# Altium PCB SP100 ATC CCU (PCB).PcbDoc (part 1 of 3)
Units mm, origin at the board's own origin, x right, y up, seen from the top; angles counter-clockwise.
Board outline 175.51 x 59.9 mm, 2 copper layers (Top Layer, Bottom Layer); 222 components, 146 nets, 708 pads, 190 vias.
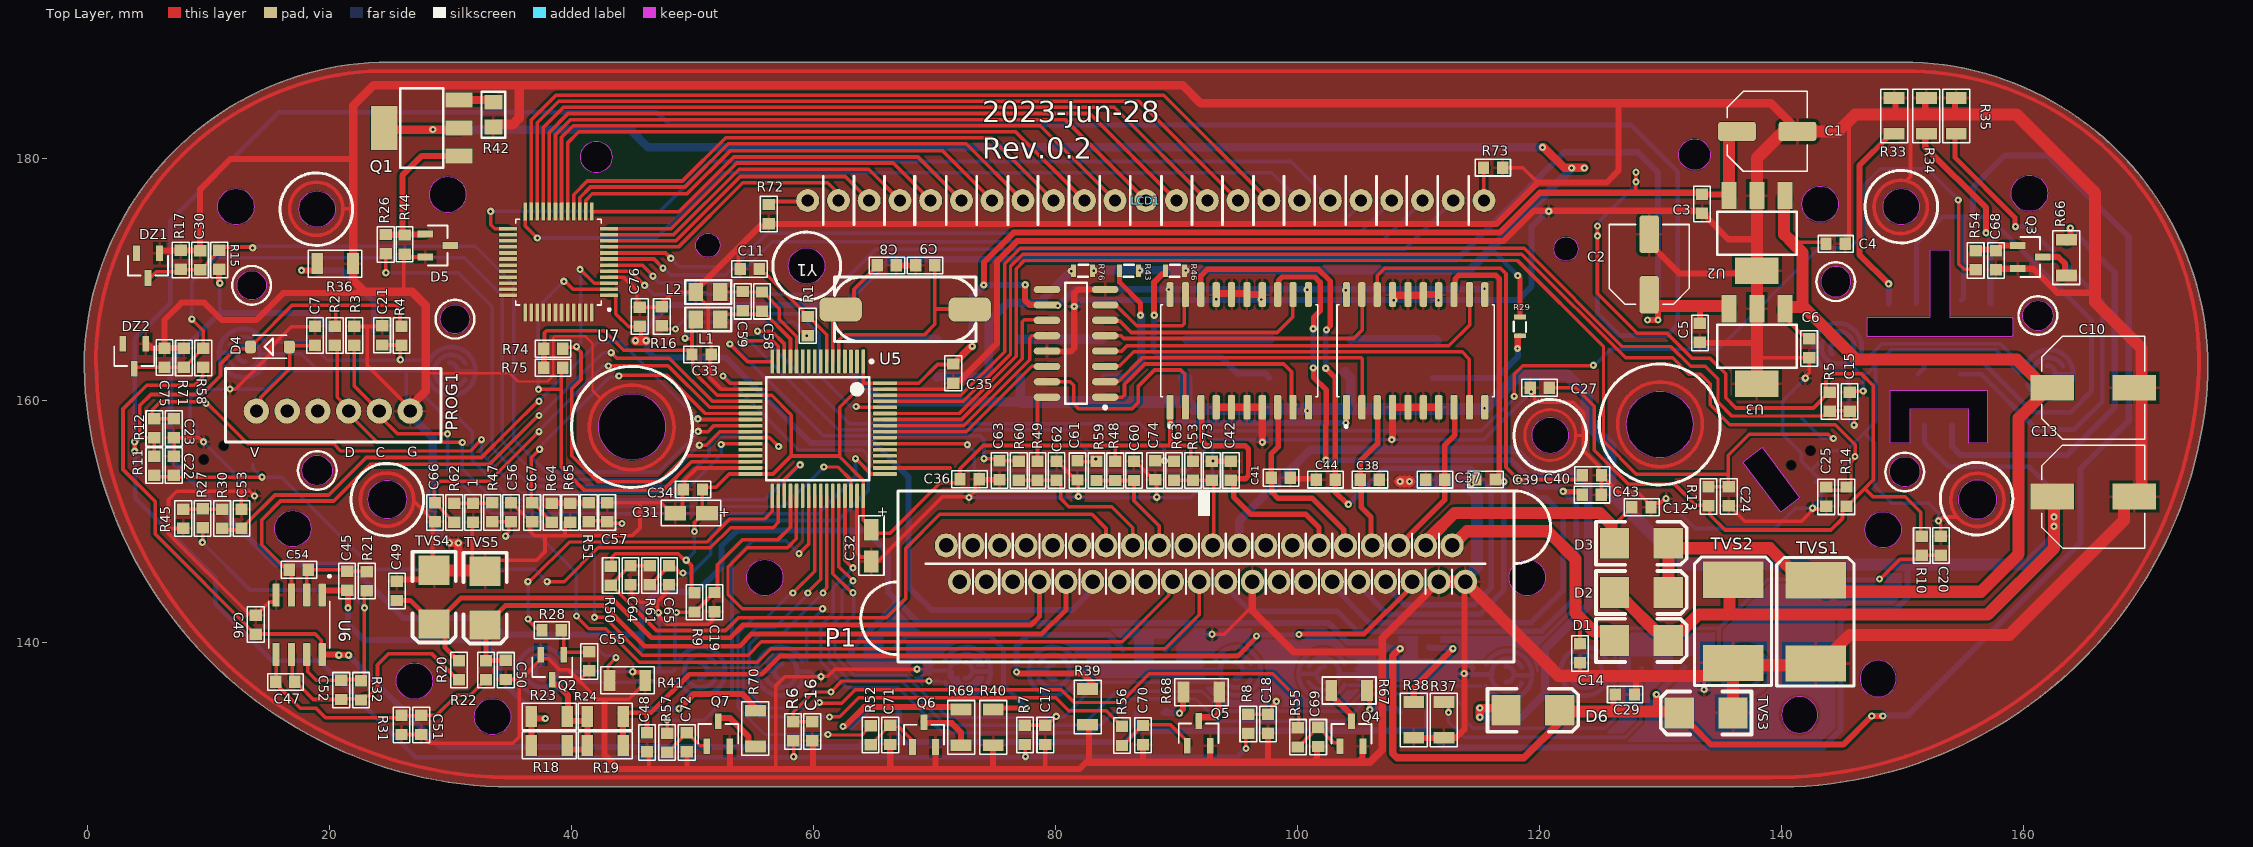
[diagram p0: Top Layer view]
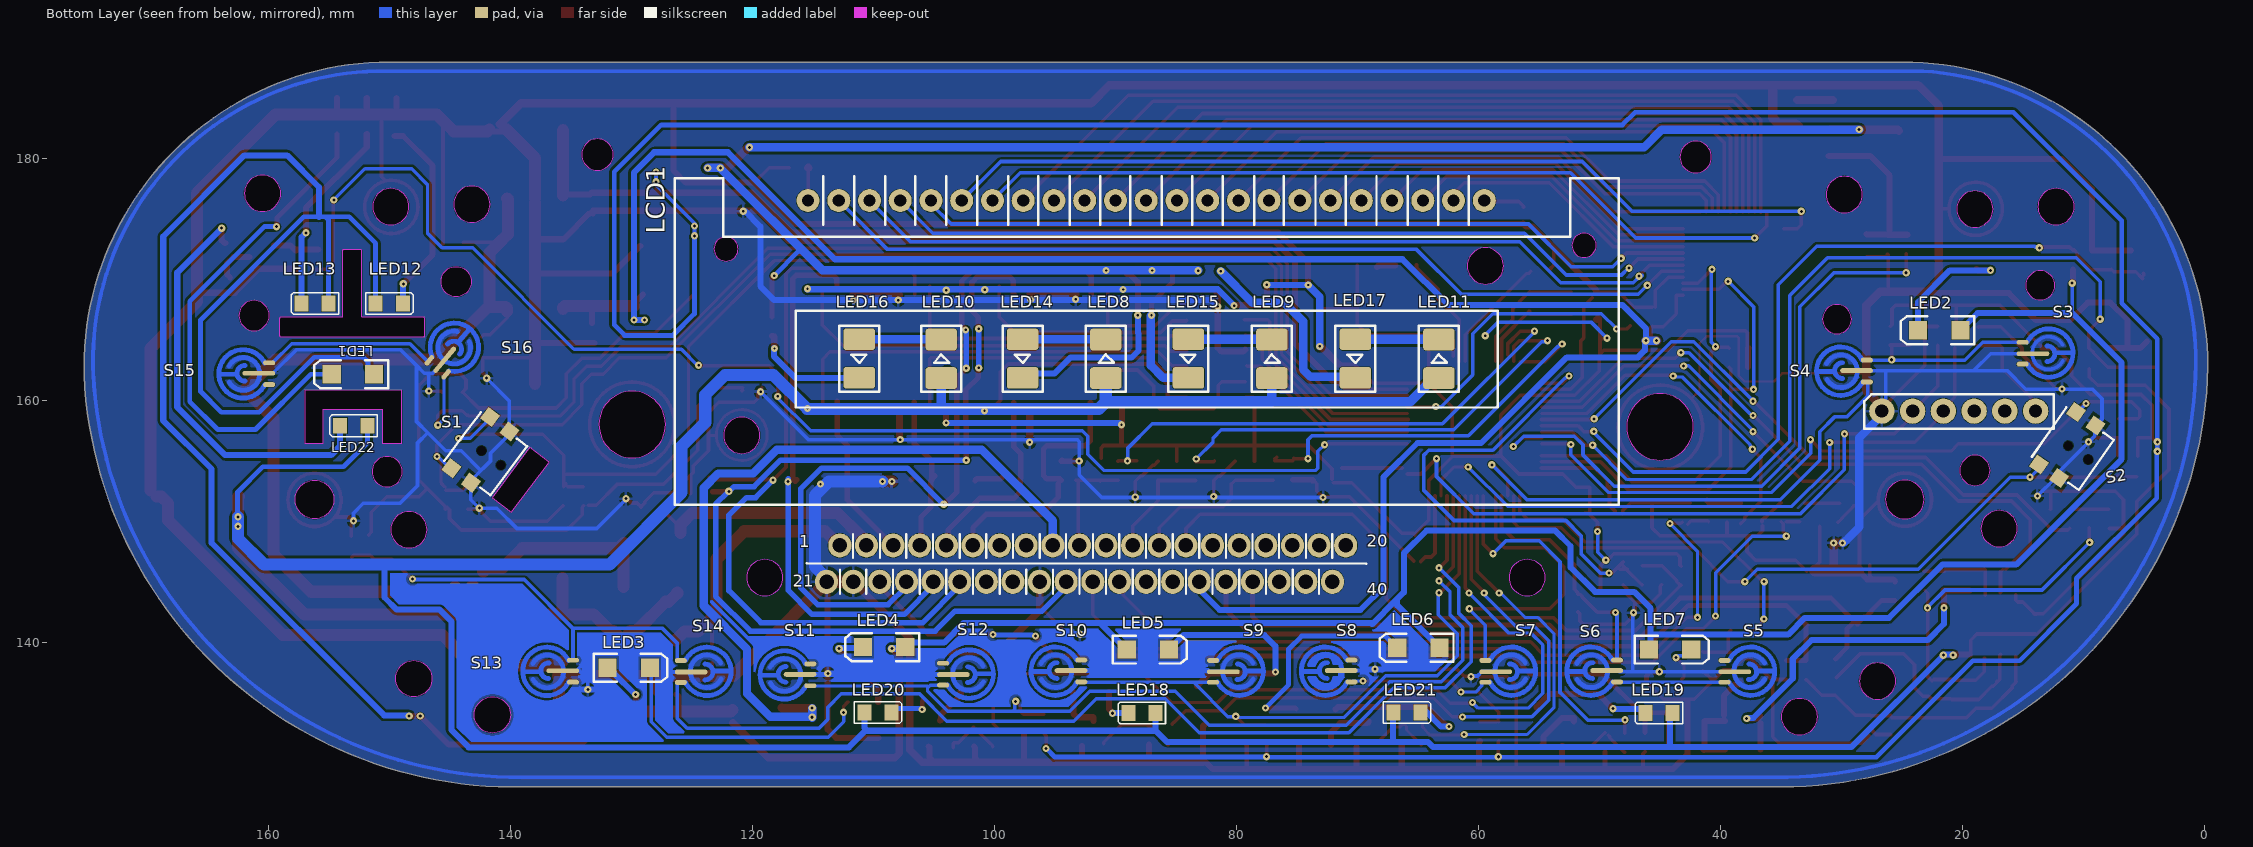
[diagram p1: Bottom Layer view, seen from below]

## Layer stack, top to bottom
Top Solder: solder mask 0.0102, Solder Resist, Dk 3.5
Top Layer: signal copper 0.0356
Dielectric 1: dielectric 0.32, FR-4, Dk 4.8
Bottom Layer: signal copper 0.0356
Bottom Solder: solder mask 0.0102, Solder Resist, Dk 3.5

## Board outline
33.965,128.05 ccw(c33.975,128.3) 33.991,128.05 ccw(c33.975,128.3) 33.991,128.05 ccw(c34.006,128.3) 34.007,128.05 140.887,128.05 ccw(c140.925,128.297) 140.935,128.047 ccw(c139.545,163.77) 141.002,128.05 141.005,128.05 ccw(c141.006,128.3) 141.03,128.051 ccw(c139.545,163.77) 175.255,162.082 ccw(c175.005,162.094) 175.256,162.094 ccw(c175.005,162.094) 175.251,162.143 ccw(c150.006,162.7) 175.257,162.7 ccw(c150.006,162.7) 150.006,187.95 ccw(c150.006,187.7) 150.005,187.95 25.006,187.95 cw(c25.006,187.7) 25.007,187.95 25.006,187.95 ccw(c25.006,162.7) -0.244,162.782 ccw(c0,162.725) -0.25,162.719 ccw(c35.344,163.629)
cut-out: 132.832,179 cw(c132.832,180.3) 131.532,180.3 cw(c132.832,180.3) 132.832,181.6 cw(c132.832,180.3) 134.132,180.3 cw(c132.832,180.3)
cut-out: 42.081,178.8 cw(c42.081,180.1) 40.781,180.1 cw(c42.081,180.1) 42.081,181.4 cw(c42.081,180.1) 43.381,180.1 cw(c42.081,180.1)
cut-out: 160.506,175.6 cw(c160.506,177.1) 159.006,177.1 cw(c160.506,177.1) 160.506,178.6 cw(c160.506,177.1) 162.006,177.1 cw(c160.506,177.1)
cut-out: 28.306,177 cw(c29.806,177) 29.806,178.5 cw(c29.806,177) 31.306,177 cw(c29.806,177) 29.806,175.5 cw(c29.806,177)
cut-out: 143.206,174.7 cw(c143.206,176.2) 141.706,176.2 cw(c143.206,176.2) 143.206,177.7 cw(c143.206,176.2) 144.706,176.2 cw(c143.206,176.2)
cut-out: 12.306,174.5 cw(c12.306,176) 10.806,176 cw(c12.306,176) 12.306,177.5 cw(c12.306,176) 13.806,176 cw(c12.306,176)
cut-out: 149.906,174.5 cw(c149.906,176) 148.406,176 cw(c149.906,176) 149.906,177.5 cw(c149.906,176) 151.406,176 cw(c149.906,176)
cut-out: 19.006,174.3 cw(c19.006,175.8) 17.506,175.8 cw(c19.006,175.8) 19.006,177.3 cw(c19.006,175.8) 20.506,175.8 cw(c19.006,175.8)
cut-out: 51.306,171.8 cw(c51.306,172.8) 50.306,172.8 cw(c51.306,172.8) 51.306,173.8 cw(c51.306,172.8) 52.306,172.8 cw(c51.306,172.8)
cut-out: 122.206,171.5 cw(c122.206,172.5) 121.206,172.5 cw(c122.206,172.5) 122.206,173.5 cw(c122.206,172.5) 123.206,172.5 cw(c122.206,172.5)
cut-out: 59.456,169.6 cw(c59.456,171.1) 57.956,171.1 cw(c59.456,171.1) 59.456,172.6 cw(c59.456,171.1) 60.956,171.1 cw(c59.456,171.1)
cut-out: 147.206,165.25 cw(c147.206,165.35) 147.106,165.35 147.106,166.75 cw(c147.206,166.75) 147.206,166.85 152.206,166.85 ccw(c152.206,166.95) 152.306,166.95 152.306,172.35 cw(c152.406,172.35) 152.406,172.45 153.806,172.45 cw(c153.806,172.35) 153.906,172.35 153.906,166.95 ccw(c154.006,166.95) 154.006,166.85 159.006,166.85 cw(c159.006,166.75) 159.106,166.75 159.106,165.35 cw(c159.006,165.35) 159.006,165.25
cut-out: 144.506,168.55 ccw(c144.506,169.8) 145.756,169.8 ccw(c144.506,169.8) 144.506,171.05 ccw(c144.506,169.8) 143.256,169.8 ccw(c144.506,169.8)
cut-out: 144.506,168.55 ccw(c144.506,169.8) 145.756,169.8 ccw(c144.506,169.8) 144.506,171.05 ccw(c144.506,169.8) 143.256,169.8 ccw(c144.506,169.8)
cut-out: 144.506,168.55 ccw(c144.506,169.8) 145.756,169.8 ccw(c144.506,169.8) 144.506,171.05 ccw(c144.506,169.8) 143.256,169.8 ccw(c144.506,169.8)
cut-out: 13.606,168.3 cw(c13.606,169.5) 12.406,169.5 cw(c13.606,169.5) 13.606,170.7 cw(c13.606,169.5) 14.806,169.5 cw(c13.606,169.5)
cut-out: 161.206,165.75 cw(c161.206,167) 159.956,167 cw(c161.206,167) 161.206,168.25 cw(c161.206,167) 162.456,167 cw(c161.206,167)
cut-out: 30.406,165.5 cw(c30.406,166.7) 29.206,166.7 cw(c30.406,166.7) 30.406,167.9 cw(c30.406,166.7) 31.606,166.7 cw(c30.406,166.7)
cut-out: 129.956,155.25 cw(c129.956,158) 127.206,158 cw(c129.956,158) 129.956,160.75 cw(c129.956,158) 132.706,158 cw(c129.956,158)
cut-out: 45.032,155.05 cw(c45.032,157.8) 42.282,157.8 cw(c45.032,157.8) 45.032,160.55 cw(c45.032,157.8) 47.782,157.8 cw(c45.032,157.8)
cut-out: 120.906,155.6 cw(c120.906,157.1) 119.406,157.1 cw(c120.906,157.1) 120.906,158.6 cw(c120.906,157.1) 122.406,157.1 cw(c120.906,157.1)
cut-out: 19.006,152.95 cw(c19.006,154.2) 17.756,154.2 cw(c19.006,154.2) 19.006,155.45 cw(c19.006,154.2) 20.256,154.2 cw(c19.006,154.2)
cut-out: 150.206,152.85 cw(c150.206,154.1) 148.956,154.1 cw(c150.206,154.1) 150.206,155.35 cw(c150.206,154.1) 151.456,154.1 cw(c150.206,154.1)
cut-out: 24.806,150.2 cw(c24.806,151.8) 23.206,151.8 cw(c24.806,151.8) 24.806,153.4 cw(c24.806,151.8) 26.406,151.8 cw(c24.806,151.8)
cut-out: 154.606,151.8 ccw(c156.206,151.8) 156.206,150.2 ccw(c156.206,151.8) 157.806,151.8 ccw(c156.206,151.8) 156.206,153.4 ccw(c156.206,151.8)
cut-out: 15.506,149.4 cw(c17.006,149.4) 17.006,150.9 cw(c17.006,149.4) 18.506,149.4 cw(c17.006,149.4) 17.006,147.9 cw(c17.006,149.4)
cut-out: 148.406,147.8 cw(c148.406,149.3) 146.906,149.3 cw(c148.406,149.3) 148.406,150.8 cw(c148.406,149.3) 149.906,149.3 cw(c148.406,149.3)
cut-out: 117.506,145.351 cw(c119.006,145.351) 119.006,146.851 cw(c119.006,145.351) 120.506,145.351 cw(c119.006,145.351) 119.006,143.851 cw(c119.006,145.351)
cut-out: 56.006,143.851 cw(c56.006,145.351) 54.506,145.351 cw(c56.006,145.351) 56.006,146.851 cw(c56.006,145.351) 57.506,145.351 cw(c56.006,145.351)
cut-out: 146.506,137 ccw(c148.006,137) 148.006,135.5 ccw(c148.006,137) 149.506,137 ccw(c148.006,137) 148.006,138.5 ccw(c148.006,137)
cut-out: 27.057,135.3 cw(c27.057,136.8) 25.557,136.8 cw(c27.057,136.8) 27.057,138.3 cw(c27.057,136.8) 28.557,136.8 cw(c27.057,136.8)
cut-out: 140.006,134 ccw(c141.506,134) 141.506,132.5 ccw(c141.506,134) 143.006,134 ccw(c141.506,134) 141.506,135.5 ccw(c141.506,134)
cut-out: 33.506,132.351 cw(c33.506,133.851) 32.006,133.851 cw(c33.506,133.851) 33.506,135.351 cw(c33.506,133.851) 35.006,133.851 cw(c33.506,133.851)
cut-out: 149.006,156.45 149.006,160.807 157.006,160.807 157.006,156.45 155.506,156.45 155.506,159.258 150.597,159.258 150.597,156.45
cut-out: 139.939,150.743 136.809,154.896 138.406,156.1 141.536,151.947

## Design rules (kind name [scope] priority, off if disabled: settings)
Clearance [All] p1: gap=0.03 ignorepadtopadclearanceinfootprint=FALSE except(0.2: Arc-Arc Arc-Track Arc-SMDPad Arc-THPad Arc-Via Arc-Fill Arc-Poly Arc-Region Arc-Text Arc-Hole Track-Track Track-SMDPad Track-THPad Track-Via Track-Fill Track-Poly Track-Region Track-Text Track-Hole)
PolygonConnect [All] p1: connectstyle=Relief reliefconductorwidth=0.254 reliefentries=4 polygonreliefangle="90 Angle" airgapwidth=0.254
RoutingVias [All] p1: holewidth=2 width=2 viastyle="Through Hole" minholewidth=0.1 minwidth=0.1 maxholewidth=0.711 maxwidth=1.27
SolderMaskExpansion [All] p1: expansion=0.102 istentingtop=FALSE
Width [All] p1: maxlimit=10 minlimit=0.1 preferedwidth=0.254
30 further rules are at their usual default settings.

## Components (designator, comment, footprint, x,y, rotation, side; value= is the part's Value field where it differs from the comment)
1 "Res1" PCBComponent_1#1 34.184,174.236 r0 top value=30K
C1 "" PCBComponent_1#2 139.37,181.559 r0 top value=100uF
C2 "" PCBComponent_1#2 129.743,171.755 r90 top value=100uF
C3 "" PCBComponent_1#1 131.166,152.705 r180 top value=100nF
C4 "" PCBComponent_1#1 168.001,170.637 r270 top value=100nF
C5 "" PCBComponent_1#1 130.988,142.057 r180 top value=100nF
C6 "" PCBComponent_1#1 140.014,140.767 r180 top value=100nF
C7 "" PCBComponent_1#1 21.125,188.854 r0 top value=100nF
C8 "" PCBComponent_1#1 89.608,168.858 r270 top value=18pF
C9 "" PCBComponent_1#1 45.742,173.43 r90 top value=18pF
C10 "" PCBComponent_1#3 165.889,161.798 r0 top value=220uF
C11 "Cap" PCBComponent_1#1 31.237,173.126 r90 top value=100nF
C12 "" PCBComponent_1#1 151.968,148.869 r270 top value=100nF
C13 "" PCBComponent_1#3 165.889,152.806 r0 top value=220uF
C14 "" PCBComponent_1#1 121.082,115.57 r180 top value=100nF
C15 "" PCBComponent_1#1 147.93,183.393 r0 top value=10nF
C16 "" PCBComponent_1#1 57.633,109.118 r180 top value=10nF
C17 "" PCBComponent_1#1 76.901,108.827 r180 top value=10nF
C18 "" PCBComponent_1#1 95.301,109.748 r180 top value=100nF
C19 "" PCBComponent_1#1 49.555,119.807 r180 top value=10nF
C20 "" PCBComponent_1#1 155.473,171.501 r0 top value=10nF
C21 "" PCBComponent_1#1 26.67,188.88 r0 top value=10nF
C22 "" PCBComponent_1#1 9.449,178.105 r0 top value=10nF
C23 "" PCBComponent_1#1 4.877,134.158 r180 top value=10nF
C24 "" PCBComponent_1#1 133.375,128.549 r180 top value=10nF
C25 "" PCBComponent_1#1 141.427,128.519 r180 top value=10nF
C27 "" PCBComponent_1#1 96.52,163.322 r90 top value=100nF
C29 "" PCBComponent_1#1 150.602,133.401 r270 top value=100nF
C30 "" PCBComponent_1#1 11.633,195.094 r0 top value=100nF
C31 "" PCBComponent_1#4 50.343,150.165 r180 top value=10uF
C32 "" PCBComponent_1#4 65.313,148.407 r270 top value=4.7uF
C33 "" PCBComponent_1#1 27.254,166.065 r90 top value=100nF
C34 "" PCBComponent_1#1 73.589,150.343 r270 top value=100nF
C35 "" PCBComponent_1#1 73.861,185.733 r0 top value=100nF
C36 "" PCBComponent_1#1 49.403,155.753 r90 top value=100nF
C37 "" PCBComponent_1#1 87.884,155.727 r90 top value=100nF
C38 "" PCBComponent_1#1 129.52,151.155 r270 top value=100nF
C39 "" PCBComponent_1#1 92.042,155.736 r90 top value=100nF
C40 "" PCBComponent_1#1 147.879,151.511 r270 top value=100nF
C41 "" PCBComponent_1#1 122.154,151.308 r270 top value=100nF
C42 "" PCBComponent_1#1 96.799,177.704 r0 top value=100nF
C43 "" PCBComponent_1#1 147.863,149.914 r270 top value=100nF
C44 "" PCBComponent_1#1 78.842,155.727 r90 top value=100nF
C45 "" PCBComponent_1#1 19.202,121.559 r180 top value=100nF
C46 "" PCBComponent_1#1 16.231,164.978 r0 top value=100nF
C47 "" PCBComponent_1#1 39.903,134.442 r270 top value=470nF
C48 "" PCBComponent_1#1 43.983,108.218 r180 top value=100nF
C49 "" PCBComponent_1#1 23.317,120.726 r180 top
C50 "" PCBComponent_1#1 32.309,114.193 r180 top value=100nF
C51 "" PCBComponent_1#1 25.324,109.652 r180 top value=100nF
C52 "" PCBComponent_1#1 18.72,112.542 r180 top value=100nF
C53 "" PCBComponent_1#1 15.051,173.736 r0 top value=100nF
C54 "" PCBComponent_1#1 41.021,143.713 r270 top value=470nF
C55 "" PCBComponent_1#1 39.218,114.904 r180 top value=100nF
C56 "" PCBComponent_1#1 32.741,127.229 r180 top
C57 "" PCBComponent_1#1 40.691,127.229 r180 top
C58 "" PCBComponent_1#1 58.064,191.68 r0 top value=100nF
C59 "" PCBComponent_1#1 51.892,144.673 r180 top value=10uF
C60 "" PCBComponent_1#1 88.794,177.686 r0 top value=100nF
C61 "" PCBComponent_1#1 79.553,130.679 r180 top value=100nF
C62 "" PCBComponent_1#1 82.4,177.694 r0 top value=100nF
C63 "" PCBComponent_1#1 73.112,130.687 r180 top value=100nF
C64 "" PCBComponent_1#1 42.621,122.016 r180 top value=100nF
C65 "" PCBComponent_1#1 45.796,122.016 r180 top value=100nF
C66 "" PCBComponent_1#1 26.462,127.229 r180 top value=100nF
C67 "" PCBComponent_1#1 34.493,127.229 r180 top value=100nF
C68 "" PCBComponent_1#1 155.448,148.051 r180 top value=100nF
C69 "" PCBComponent_1#1 99.441,108.656 r180 top value=100nF
C70 "" PCBComponent_1#1 84.963,108.814 r180 top value=100nF
C71 "" PCBComponent_1#1 64.084,108.827 r180 top value=100nF
C72 "" PCBComponent_1#1 47.269,108.218 r180 top value=100nF
C73 "" PCBComponent_1#1 95.226,177.704 r0 top value=100nF
C74 "" PCBComponent_1#1 85.979,130.697 r180 top value=100nF
C75 "" PCBComponent_1#1 8.687,187.037 r0 top value=100nF
C76 "" PCBComponent_1#1 47.955,190.424 r0 top value=100nF
D1 "" PCBComponent_1#5 128.397,139.852 r90 top
D2 "S2M" PCBComponent_1#5 128.397,143.815 r90 top
D3 "" PCBComponent_1#5 128.397,147.879 r90 top
D4 "" SODFL3517X110N 15.108,164.414 r0 top
D5 "MMBD1503A" PCBComponent_1#6 25.028,172.977 r270 top
D6 "" PCBComponent_1#5 119.431,134.087 r90 top
DZ1 "BZX84C5V" PCBComponent_1#6 5.235,175.078 r180 top
DZ2 "BZX84C5V" PCBComponent_1#6 4.089,167.583 r180 top
L1 "10uH" PCBComponent_1#7 51.486,173.914 r270 top
L2 "l0uH" PCBComponent_1#7 51.486,176.174 r270 top
LCD1 "" PCBComponent_1#8 63.976,171.652 r0 top locked
LED1 "" PCBComponent_1#9 153.667,165.583 r0 bottom
LED2 "" PCBComponent_1#9 22.583,169.215 r0 bottom
LED3 "" PCBComponent_1#9 129.617,134.471 r180 bottom
LED4 "" PCBComponent_1#9 109.776,143.027 r0 bottom
LED5 "" PCBComponent_1#9 86.715,135.971 r180 bottom
LED6 "" PCBComponent_1#9 65.631,142.977 r0 bottom
LED7 "" PCBComponent_1#9 43.565,135.971 r180 bottom
LED8 "" PCBComponent_1#10 96.9,165.19 r180 bottom
LED9 "" PCBComponent_1#10 83.18,165.19 r180 bottom
LED10 "" PCBComponent_1#10 110.5,165.19 r180 bottom
LED11 "" PCBComponent_1#10 69.38,165.19 r180 bottom
LED12 "" PCBComponent_1#11 150.4,168 r270 bottom
LED13 "" PCBComponent_1#11 155.8,168 r90 bottom
LED14 "" PCBComponent_1#10 91.62,161.685 r0 bottom
LED15 "" PCBComponent_1#10 77.92,161.685 r0 bottom
LED16 "" PCBComponent_1#10 105.12,161.685 r0 bottom
LED17 "" PCBComponent_1#10 64.12,161.685 r0 bottom
LED18 "" PCBComponent_1#11 87.478,134.163 r90 bottom
LED19 "" PCBComponent_1#11 44.755,134.163 r90 bottom
LED20 "" PCBComponent_1#11 110.012,134.2 r270 bottom
LED21 "" PCBComponent_1#11 66.3,134.2 r270 bottom
LED22 "" PCBComponent_1#11 152.6,157.9 r90 bottom
P1 "" PCBComponent_1#12 91.512,147.027 r0 top locked
PROG1 "" PCBComponent_1#13 19.736,158.979 r0 top
Q1 "BCP5616Q" *SOT223 28.659,182.754 r90 top
Q2 "BC846" PCBComponent_1#6 38.628,141.884 r180 top
Q3 "BC846" PCBComponent_1#6 156.616,172.019 r270 top
Q4 "BC846" PCBComponent_1#6 104.292,128.499 r0 top
Q5 "BC846" PCBComponent_1#6 91.669,128.524 r0 top
Q6 "BC846" PCBComponent_1#6 68.97,128.425 r0 top
Q7 "BC846" PCBComponent_1#6 51.968,128.499 r0 top
R1 "Res1" PCBComponent_1#1 61.836,189.658 r0 top value=10K
R2 "" PCBComponent_1#1 22.749,188.854 r0 top value=10K
R3 "" PCBComponent_1#1 24.375,188.854 r0 top value=10K
R4 "Res1" PCBComponent_1#1 28.27,188.854 r0 top value=10K
R5 "Res1" PCBComponent_1#1 146.279,183.393 r0 top value=10K
R6 "Res1" PCBComponent_1#1 56.058,109.118 r180 top value=10K
R7 "Res1" PCBComponent_1#1 75.209,108.827 r180 top value=10K
R8 "Res1" PCBComponent_1#1 93.675,109.748 r180 top value=10K
R9 "Res1" PCBComponent_1#1 52.476,166.814 r0 top value=10K
R10 "Res1" PCBComponent_1#1 153.899,171.501 r0 top value=10K
R11 "Res1" PCBComponent_1#1 7.849,178.105 r0 top value=10K
R12 "Res1" PCBComponent_1#1 3.277,134.158 r180 top value=10K
R13 "Res1" PCBComponent_1#1 131.699,128.549 r180 top value=10K
R14 "Res1" PCBComponent_1#1 143.104,128.519 r180 top value=10K
R15 "Res1" PCBComponent_1#1 8.636,148.087 r180 top value=30K
R16 "Res1" PCBComponent_1#1 45.212,143.417 r180 top value=10K
R17 "Res1" PCBComponent_1#1 5.461,148.087 r180 top value=10K
R18 "Res1" PCBComponent_1#14 38.627,131.505 r270 top value=511
R19 "Res1" PCBComponent_1#14 43.25,131.505 r270 top value=511
R20 "Res1" PCBComponent_1#1 33.02,161.219 r0 top value=200K
R21 "Res1" PCBComponent_1#1 25.4,168.566 r0 top value=10K
R22 "Res1" PCBComponent_1#1 35.255,161.219 r0 top value=200K
R23 "Res1" PCBComponent_1#14 38.627,133.893 r270 top value=511
R24 "Res1" PCBComponent_1#14 43.25,133.893 r270 top value=511
R26 "Res1" PCBComponent_1#1 22.395,149.379 r180 top value=1K
R27 "Res1" PCBComponent_1#1 7.264,126.721 r180 top value=0
R28 "Res1" PCBComponent_1#1 61.905,138.709 r270 top value=10K
R29 "Comment" MY_RES_SMD_0603 118.4,166.1 r90 top
R30 "Res1" PCBComponent_1#1 13.451,173.736 r0 top value=10K
R31 "Res1" PCBComponent_1#1 23.698,109.652 r180 top value=10K
R32 "Res1" PCBComponent_1#1 24.917,159.549 r0 top value=10K
R33 "Res1" PCBComponent_1#14 149.301,183.928 r0 top value=5.1K
R34 "Res1" PCBComponent_1#14 151.968,183.928 r0 top value=5.1K
R35 "Res1" PCBComponent_1#14 154.432,183.928 r0 top value=5.1K
R36 "Res1" PCBComponent_1#14 20.93,171.323 r270 top value=5.1K
R37 "Res1" PCBComponent_1#14 112.141,133.154 r180 top value=5.1K
R38 "Res1" PCBComponent_1#14 109.652,133.154 r180 top value=5.1K
R39 "Res1" PCBComponent_1#14 82.702,134.232 r180 top value=5.1K
R40 "Res1" PCBComponent_1#14 74.905,132.544 r180 top value=5.1K
R41 "Res1" PCBComponent_1#14 45.085,136.881 r270 top value=5.1K
R42 "Res1" PCBComponent_1#7 40.818,183.418 r180 top value=10
R43 "Comment" MY_RES_SMD_0603 86.1,170.7 r0 top
R44 "Res1" PCBComponent_1#1 28.527,196.393 r0 top value=10K
R45 "Res1" PCBComponent_1#1 10.236,173.741 r0 top value=10K
R46 "Comment" MY_RES_SMD_0603 89.9,170.7 r0 top
R47 "Res1" PCBComponent_1#1 31.191,127.229 r180 top value=20K
R48 "Res1" PCBComponent_1#1 87.245,177.686 r0 top value=4.7k
R49 "Res1" PCBComponent_1#1 80.825,177.694 r0 top value=4.7k
R50 "Res1" PCBComponent_1#1 45.568,169.023 r0 top value=1k
R51 "Res1" PCBComponent_1#1 39.167,127.229 r180 top value=20K
R52 "Res1" PCBComponent_1#1 67.031,155.834 r0 top value=10K
R53 "Res1" PCBComponent_1#1 93.675,177.704 r0 top value=10k
R54 "Res1" PCBComponent_1#1 153.772,148.051 r180 top value=10K
R55 "Res1" PCBComponent_1#1 102.339,155.663 r0 top value=10K
R56 "Res1" PCBComponent_1#1 87.809,155.79 r0 top value=10K
R57 "Res1" PCBComponent_1#1 50.216,155.225 r0 top value=10K
R58 "Res1" PCBComponent_1#1 7.315,139.979 r180 top value=30K
R59 "Res1" PCBComponent_1#1 85.695,177.686 r0 top value=10K
R60 "Res1" PCBComponent_1#1 79.276,177.694 r0 top value=10K
R61 "Res1" PCBComponent_1#1 44.221,122.016 r180 top value=10K
R62 "Res1" PCBComponent_1#1 32.634,174.236 r0 top value=10K
R63 "Res1" PCBComponent_1#1 92.1,177.704 r0 top value=10K
R64 "Res1" PCBComponent_1#1 40.691,174.236 r0 top value=10K
R65 "Res1" PCBComponent_1#1 42.215,174.236 r0 top value=30K
R66 "Res1" PCBComponent_1#14 163.576,171.348 r180 top value=1K
R67 "Res1" PCBComponent_1#14 103.861,135.992 r90 top value=1K
R68 "Res1" PCBComponent_1#14 92.507,135.915 r270 top value=1K
R69 "Res1" PCBComponent_1#14 72.257,132.544 r180 top value=1K
R70 "Res1" PCBComponent_1#14 55.245,132.442 r180 top value=1K
R71 "Res1" PCBComponent_1#1 5.715,139.991 r180 top value=10K
R72 "Res1" PCBComponent_1#1 58.623,198.907 r0 top value=100K
R73 "Res1" PCBComponent_1#1 92.659,181.508 r90 top value=100K
R74 "Res1" PCBComponent_1#1 15.006,166.549 r90 top value=4.7K
R75 "Res1" PCBComponent_1#1 15.006,164.974 r90 top value=4.7K
R76 "Comment" MY_RES_SMD_0603 82.3,170.7 r180 top
S1 "volume" PCBComponent_1#15 141.876,155.69 r307 bottom locked
S2 "volume" PCBComponent_1#15 10.74,156.115 r305 bottom
S3 "" PCBComponent_1#16 12.7,164 r90 top
S4 "" PCBComponent_1#16 30.3,162.3 r270 top
S5 "" PCBComponent_1#16 37.339,137.716 r90 top locked
S6 "" PCBComponent_1#16 50.942,137.513 r270 top
S7 "" PCBComponent_1#16 57.1,137.716 r90 top
S8 "" PCBComponent_1#16 72.883,137.513 r270 top
S9 "" PCBComponent_1#17 79.6,137.716 r90 top
S10 "" PCBComponent_1#17 95.211,137.513 r270 top
S11 "" PCBComponent_1#16 117.6,137.2 r270 top
S12 "" PCBComponent_1#16 101.907,137.479 r90 top
S13 "" PCBComponent_1#16 137.211,137.497 r270 top
S14 "" PCBComponent_1#16 123.579,137.7 r90 top locked
S15 "" PCBComponent_1#16 162.318,162.077 r270 top
S16 "" PCBComponent_1#18 144.6,164.6 r40 top
TVS1 "" PCBComponent_1#19 143.383,141.859 r0 top
TVS2 "" PCBComponent_1#19 136.576,141.91 r0 top
TVS3 "" PCBComponent_1#5 133.833,134.468 r270 top
TVS4 "" PCBComponent_1#5 28.372,143.764 r0 top
TVS5 "" PCBComponent_1#5 32.588,143.688 r0 top
U2 "NCV4264-3.3" *SOT223 137.729,174.829 r180 top
U3 "NCV4264-5V" *SOT223 137.729,165.481 r180 top
U5 "STM32F072RBT6" PCBComponent_1#20 60.3,157.709 r270 top
U6 "LM2904M" SOIC127P600X175-8N 17.526,141.453 r270 top
U7 "" QFP50P900X900X160-48N 38.958,171.42 r180 top
Y1 "XTAL" PCBComponent_1#21 67.775,168.05 r0 top
? "Comment" SO16 81.725,164.7 r180 top locked
? "Comment" SOIC127P1032X265-20N 109.785,164.08 r90 top locked
? "Comment" SOIC127P1032X265-20N 95.21,164.08 r90 top locked

## Footprints (in the part's own frame and the unit in brackets; to place one, negate y for a bottom-side part, rotate by r counter-clockwise, add the part's x,y. Pads: shape width x height; smd on the part's side, far side on the other; paste and mask are expansions set on the pad)
*SOT223 [mil]
  rect 48x88 smd: 1(-101,-82) 2(-10,-82) 3(81,-82)
  rect 141.73x86.61 smd: 4(-10,162.01)
  silkscreen extent -139,-30 119,110, body extent -138,-98 118,178, height 67
MY_RES_SMD_0603 [mm]
  rect 0.4x1 smd: 1(-0.775,0) 2(0.775,0)
  silkscreen extent -0.45,-0.5 0.4,0.5, body extent -0.78,-0.43 0.78,0.43, height 0.45
PCBComponent_1#1 [mm]
  rect 1.02x0.94 smd: 1(-2.286,-22.733) 2(-2.286,-24.313)
  silkscreen extent -2.98,-24.96 -1.6,-22.04, body extent -2.67,-24.28 -1.9,-22.76, height 0.45
PCBComponent_1#2 [mm]
  rrect25% 3.11x1.58 smd: 1(-3.032,0.66) 2(1.968,0.66)
  silkscreen extent -3.83,-2.64 2.77,3.96, body extent -4.43,-2.64 3.37,3.96, height 7.55
PCBComponent_1#3 [mm]
  rect 3.6x2.12 smd: 1(-3.492,-0.762) 2(3.288,-0.762)
  silkscreen extent -4.35,-5.02 4.15,3.49, body extent -5,-4.91 5,3.39, height 10.01
PCBComponent_1#4 [mm]
  rect 1.79x1.21 smd: 1(-0.889,-0.508) 2(1.731,-0.508)
  silkscreen extent -2.03,-1.56 2.88,0.54
PCBComponent_1#5 [mm]
  rect 2.54x2.413 smd: 1(0.305,2.184) 2(0.305,-2.261)
  silkscreen extent -1.47,-3.78 2.08,3.71, body extent -1.56,-2.77 2.06,2.52, height 2.31
PCBComponent_1#6 [mm]
  rect 0.559x1.295 smd: 1(-0.762,2.921) 2(1.138,2.921) 3(0.188,4.978)
  silkscreen extent -1.46,3.14 1.84,4.76, body extent -1.25,2.84 1.61,5.13, height 1.09
PCBComponent_1#7 [mm]
  rect 1.5x1.2 smd: 1(7.239,-1.189) 2(7.239,0.838)
  silkscreen extent 6.25,-2.06 8.22,1.74, body extent 6.59,-1.08 7.84,0.92, height 0.61
PCBComponent_1#8 [mm]
  round 1.9 hole 1: 1(51.454,4.848) 2(48.914,4.848) 3(46.374,4.848) 4(43.834,4.848) 5(41.294,4.848) 6(38.754,4.848) 7(36.214,4.848) 8(33.674,4.848) 9(31.134,4.848) 10(28.594,4.848) 11(26.054,4.848) 12(23.514,4.848) 13(20.974,4.848) 14(18.434,4.848) 15(15.894,4.848) 16(13.354,4.848) 17(10.814,4.848) 18(8.274,4.848) 19(5.734,4.848) 20(3.194,4.848) 21(0.654,4.848) 22(-1.886,4.848) 23(-4.426,4.848)
  silkscreen extent -3.16,2.84 50.18,6.84
PCBComponent_1#9 [mm]
  rect 1.5x1.5 smd: 1(-2.385,3.429) 2(1.115,3.429)
  silkscreen extent -3.53,2.28 2.57,4.58, body extent -2.28,2.67 1.02,4.12, height 1.36
PCBComponent_1#10 [mm]
  rrect25% 2.6x1.79 smd: 1(6.08,-3.355) 2(6.08,-0.171)
  silkscreen extent 4.43,-4.47 7.73,0.97, body extent 4.65,-3.55 7.45,-0.05, height 1.75
PCBComponent_1#11 [mm]
  rect 1.3x1.15 smd: 1(0,-0.762) 2(0,1.488)
  silkscreen extent -0.9,-1.59 0.9,2.34
PCBComponent_1#12 [mm]
  oval 1.9x2 hole 1.2: 1(21.288,0.973) 2(19.088,0.973) 3(16.888,0.973) 4(14.688,0.973) 5(12.488,0.973) 6(10.288,0.973) 7(8.088,0.973) 8(5.888,0.973) 9(3.688,0.973) 10(1.488,0.973) 11(-0.712,0.973) 12(-2.912,0.973) 13(-5.112,0.973) 14(-7.312,0.973) 15(-9.512,0.973) 16(-11.712,0.973) 17(-13.912,0.973) 18(-16.112,0.973) 19(-18.312,0.973) 20(-20.512,0.973) 21(22.388,-2.027) 22(20.188,-2.027) 23(17.988,-2.027) 24(15.788,-2.027) 25(13.588,-2.027) 26(11.388,-2.027) 27(9.188,-2.027) 28(6.988,-2.027) 29(4.788,-2.027) 30(2.588,-2.027) 31(0.388,-2.027) 32(-1.812,-2.027) 33(-4.012,-2.027) 34(-6.212,-2.027) 35(-8.412,-2.027) 36(-10.612,-2.027) 37(-12.812,-2.027) 38(-15.012,-2.027) 39(-17.212,-2.027) 40(-19.412,-2.027)
  silkscreen extent -27.58,-8.65 29.42,5.47
PCBComponent_1#13 [mm]
  round 2.1 hole 1.1: 1(6.96,0.127) 2(4.42,0.127) 3(1.88,0.127) 4(-0.66,0.127) 5(-3.2,0.127) 6(-5.74,0.127)
  silkscreen extent -8.28,-2.41 9.5,3.63
PCBComponent_1#14 [mm]
  rect 1.73x0.97 smd: 1(0.025,-1.912) 2(0.025,1.048)
  silkscreen extent -1.09,-2.65 1.14,1.78, body extent -0.77,-1.93 0.83,1.17, height 0.63
PCBComponent_1#15 [mm]
  rect 1.2x1.2 smd: 1(-2.445,-1.62) 2(-2.445,0.38) 3(2.855,-1.62) 4(2.855,0.38)
  round 0 hole 0.8: 29(0.205,1.48) 30(0.205,-0.52)
  silkscreen extent -2.35,-2.47 2.71,2.28
PCBComponent_1#16 [mm]
  oval 0.4x2.7 smd far side: 1(-0.152,-1.511)
  oval 0.4x1 smd far side: 2(-1.016,-2.361) 2(0.787,-2.361)
  Bottom Layer lines w0.254: -0.127,1.803 -0.12,1.797 -0.076,1.753
  Bottom Layer lines w0.3: -0.736,0.963 ccw(c-0.102,-0.229) -0.152,-1.578 ccw(c-0.102,-0.229) 0.573,0.941
  Bottom Layer lines w0.4: -0.076,1.753 -0.076,0.432 ; 0.498,-0.356 ccw(c-0.152,-0.356) -0.802,-0.372 ; -1.005,-1.988 cw(c-0.102,-0.203) -0.12,1.797 cw(c-0.102,-0.203) 0.787,-1.995
PCBComponent_1#17 [mm]
  oval 0.4x2.7 smd far side: 1(-0.152,-1.511)
  oval 0.4x1 smd far side: 2(-1.016,-2.361) 2(0.787,-2.361)
  Bottom Layer lines w0.254: -0.127,1.803 -0.12,1.797 -0.076,1.753
  Bottom Layer lines w0.4: -0.076,1.753 -0.076,0.432 ; -0.736,0.963 ccw(c-0.102,-0.229) -0.152,-1.578 ccw(c-0.102,-0.229) 0.573,0.941 ; 0.498,-0.356 ccw(c-0.152,-0.356) -0.802,-0.372 ; -1.005,-1.988 cw(c-0.102,-0.203) -1.081,-1.947 cw(c-0.102,-0.203) -0.12,1.797 cw(c-0.102,-0.203) 0.787,-1.995
PCBComponent_1#18 [mm]
  oval 0.4x2.7 smd far side: 1(-0.152,-1.511)
  oval 0.4x1 smd far side: 2(-1.016,-2.361) 2(0.787,-2.361)
  Bottom Layer lines w0.254: -0.127,1.803 -0.12,1.797 ; -0.076,1.753 -0.12,1.797 ; -0.12,1.797 -0.12,1.797 ; -0.12,1.797 -0.12,1.797 ; -0.12,1.797 -0.12,1.797 ; -0.12,1.797 -0.12,1.797 ; -0.12,1.797 -0.12,1.797 ; -0.12,1.797 -0.12,1.797
  Bottom Layer lines w0.4: -0.076,1.753 -0.076,0.432 ; -0.736,0.963 ccw(c-0.102,-0.229) -0.206,-1.575 ccw(c-0.102,-0.229) 0.573,0.941 ; -0.802,-0.372 cw(c-0.152,-0.356) 0.498,-0.356 ; -1.005,-1.988 cw(c-0.102,-0.203) -0.12,1.797 cw(c-0.102,-0.203) 0.787,-1.995
PCBComponent_1#19 [mm]
  rect 5x3 smd: 1(-0.532,-3.613) 2(-0.532,3.27)
  silkscreen extent -3.76,-5.48 2.62,5.15, body extent -3.5,-4.13 2.4,3.82, height 2.42
PCBComponent_1#20 [mm]
  rrect50% 2x0.3 smd: 1(-5.499,3.826) 2(-5.499,3.326) 3(-5.499,2.826) 4(-5.499,2.326) 5(-5.499,1.826) 6(-5.499,1.326) 7(-5.499,0.826) 8(-5.499,0.326) 9(-5.499,-0.174) 10(-5.499,-0.674) 11(-5.499,-1.174) 12(-5.499,-1.674) 13(-5.499,-2.174) 14(-5.499,-2.674) 15(-5.499,-3.174) 16(-5.499,-3.674) 33(5.601,-3.674) 34(5.601,-3.174) 35(5.601,-2.674) 36(5.601,-2.174) 37(5.601,-1.674) 38(5.601,-1.174) 39(5.601,-0.674) 40(5.601,-0.174) 41(5.601,0.326) 42(5.601,0.826) 43(5.601,1.326) 44(5.601,1.826) 45(5.601,2.326) 46(5.601,2.826) 47(5.601,3.326) 48(5.601,3.826)
  rrect50% 0.3x2 smd: 17(-3.699,-5.474) 18(-3.199,-5.474) 19(-2.699,-5.474) 20(-2.199,-5.474) 21(-1.699,-5.474) 22(-1.199,-5.474) 23(-0.699,-5.474) 24(-0.199,-5.474) 25(0.301,-5.474) 26(0.801,-5.474) 27(1.301,-5.474) 28(1.801,-5.474) 29(2.301,-5.474) 30(2.801,-5.474) 31(3.301,-5.474) 32(3.801,-5.474) 49(3.801,5.626) 50(3.301,5.626) 51(2.801,5.626) 52(2.301,5.626) 53(1.801,5.626) 54(1.301,5.626) 55(0.801,5.626) 56(0.301,5.626) 57(-0.199,5.626) 58(-0.699,5.626) 59(-1.199,5.626) 60(-1.699,5.626) 61(-2.199,5.626) 62(-2.699,5.626) 63(-3.199,5.626) 64(-3.699,5.626)
  silkscreen extent -5.62,-4.17 4.3,4.65, body extent -5.95,-5.95 6.05,6.05, height 1.6
PCBComponent_1#21 [mm]
  rrect50% 3.5x2 smd: 1(-5.505,-0.545) 2(5.163,-0.545)
  silkscreen extent -6.01,-3.21 5.67,2.15, body extent -6.48,-2.92 6.22,1.91, height 3.95
QFP50P900X900X160-48N [mm]
  rrect25% 1.49x0.3 smd: 1(-4.17,2.75) 2(-4.17,2.25) 3(-4.17,1.75) 4(-4.17,1.25) 5(-4.17,0.75) 6(-4.17,0.25) 7(-4.17,-0.25) 8(-4.17,-0.75) 9(-4.17,-1.25) 10(-4.17,-1.75) 11(-4.17,-2.25) 12(-4.17,-2.75) 25(4.17,-2.75) 26(4.17,-2.25) 27(4.17,-1.75) 28(4.17,-1.25) 29(4.17,-0.75) 30(4.17,-0.25) 31(4.17,0.25) 32(4.17,0.75) 33(4.17,1.25) 34(4.17,1.75) 35(4.17,2.25) 36(4.17,2.75)
  rrect25% 0.3x1.49 smd: 13(-2.75,-4.17) 14(-2.25,-4.17) 15(-1.75,-4.17) 16(-1.25,-4.17) 17(-0.75,-4.17) 18(-0.25,-4.17) 19(0.25,-4.17) 20(0.75,-4.17) 21(1.25,-4.17) 22(1.75,-4.17) 23(2.25,-4.17) 24(2.75,-4.17) 37(2.75,4.17) 38(2.25,4.17) 39(1.75,4.17) 40(1.25,4.17) 41(0.75,4.17) 42(0.25,4.17) 43(-0.25,4.17) 44(-0.75,4.17) 45(-1.25,4.17) 46(-1.75,4.17) 47(-2.25,4.17) 48(-2.75,4.17)
  silkscreen extent -4.29,-3.55 3.55,4.04
SO16 [mm] "SOIC, 16-Leads, Body 9.9x3.9mm, Pitch 1.27mm, IPC Medium Density"
  oval 2.2x0.6 smd: 1(-2.4,4.445) 2(-2.4,3.175) 3(-2.4,1.905) 4(-2.4,0.635) 5(-2.4,-0.635) 6(-2.4,-1.905) 7(-2.4,-3.175) 8(-2.4,-4.445) 9(2.4,-4.445) 10(2.4,-3.175) 11(2.4,-1.905) 12(2.4,-0.635) 13(2.4,0.635) 14(2.4,1.905) 15(2.4,3.175) 16(2.4,4.445)
  silkscreen extent -2.53,-5 0.9,5.42, body extent -3.1,-5.08 3.1,5.08, height 1.73
SODFL3517X110N [mm]
  rrect50% 0.91x1.07 smd: 1(1.605,0) 2(-1.605,0)
  silkscreen extent -1.4,-0.95 1.4,0.95, body extent -1.75,-0.85 1.75,0.85, height 1.11
SOIC127P600X175-8N [mm]
  rrect25% 1.9x0.6 smd: 1(-2.455,1.905) 2(-2.455,0.635) 3(-2.455,-0.635) 4(-2.455,-1.905) 5(2.455,-1.905) 6(2.455,-0.635) 7(2.455,0.635) 8(2.455,1.905)
  silkscreen extent -4.1,-2.52 1.95,2.6, body extent -3,-2.45 3,2.45, height 1.51
SOIC127P1032X265-20N [mm]
  rrect50% 2.05x0.6 smd: 1(-4.655,5.715) 2(-4.655,4.445) 3(-4.655,3.175) 4(-4.655,1.905) 5(-4.655,0.635) 6(-4.655,-0.635) 7(-4.655,-1.905) 8(-4.655,-3.175) 9(-4.655,-4.445) 10(-4.655,-5.715) 11(4.655,-5.715) 12(4.655,-4.445) 13(4.655,-3.175) 14(4.655,-1.905) 15(4.655,-0.635) 16(4.655,0.635) 17(4.655,1.905) 18(4.655,3.175) 19(4.655,4.445) 20(4.655,5.715)
  silkscreen extent -6.35,-6.5 3.8,6.5

## Part data
1 R1 R4 R5 R6 R7 R8 R9 R10 R11 R12 R13 R14 R15 R16 R17 R18 R19 R20 R21 R22 R23 R24 R26 R27 R28 R30 R31 R32 R33 R34 R35 R36 R37 R38 R39 R40 R41 R42 R44 R45 R47 R48 R49 R50 R51 R52 R53 R54 R55 R56 R57 R58 R59 R60 R61 R62 R63 R64 R65 R66 R67 R68 R69 R70 R71 R72 R73 R74 R75: "Resistor", LatestRevisionDate=17-Jul-2002, LatestRevisionNote="Re-released for DXP Platform.", PackageReference=AXIAL-0.3, Published=8-Jun-2000, Publisher="Altium Limited"
C1 C2 C10 C13 C31 C32: library part "Cap Pol1", "Polarized Capacitor (Radial)", LatestRevisionDate=17-Jul-2002, LatestRevisionNote="Re-released for DXP Platform.", PackageDescription="Polarized Capacitor (Radial); 2 Leads", PackageReference=RB7.6-15, Published=8-Jun-2000, Publisher="Altium Limited"
C3 C4 C5 C6 C7 C8 C9 C12 C14 C15 C16 C17 C18 C19 C20 C21 C22 C23 C24 C25 C27 C29 C30 C33 C34 C35 C36 C37 C38 C39 C40 C41 C42 C43 C44 C45 C46 C47 C48 C49 C50 C51 C52 C53 C54 C55 C56 C57 C58 C59 C60 C61 C62 C63 C64 C65 C66 C67 C68 C69 C70 C71 C72 C73 C74 C75 C76: library part Cap, "Capacitor", LatestRevisionDate=17-Jul-2002, LatestRevisionNote="Re-released for DXP Platform.", PackageDescription="Radial Cap, Thru-Hole; 2 Leads; 0.3 in Pin Spacing", PackageReference=RAD-0.3, Published=8-Jun-2000, Publisher="Altium Limited"
C11: "Capacitor", LatestRevisionDate=17-Jul-2002, LatestRevisionNote="Re-released for DXP Platform.", PackageReference=RAD-0.3, Published=8-Jun-2000, Publisher="Altium Limited"
D1 D2 D3 D4 D6: library part Diode, "Default Diode", Code_JEDEC=DO-214-AB, LatestRevisionDate=17-Jul-2002, LatestRevisionNote="Re-released for DXP Platform.", PackageDescription="DO-214-AB/SMC; 2 C-Bend Leads; Body 7.9 x 5.9 mm, inc. leads (LxW)", PackageReference=SMC, PackageVersion=Sep-1996, Published=8-Jun-2000, Publisher="Altium Limited"
D5 DZ1 DZ2: library part "Header 3", "Header, 3-Pin", LatestRevisionDate=17-Jul-2002, LatestRevisionNote="Re-released for DXP Platform.", Publisher="Altium Limited"
L1 L2: library part "Fuse 1", "Fuse", LatestRevisionDate=17-Jul-2002, LatestRevisionNote="Re-released for DXP Platform.", PackageDescription="Thru-Hole; 2 Leads", PackageReference=PIN-W2/E2.8, Published=8-Jun-2000, Publisher="Altium Limited"
LCD1 P1 Q1 U2 U3 U7: library part Component_1
LED1 LED2 LED3 LED4 LED5 LED6 LED7 LED8 LED9 LED10 LED11 LED14 LED15 LED16 LED17: library part LED0, "Typical INFRARED GaAs LED", LatestRevisionDate=08-Jul-2005, LatestRevisionNote="Mech Layer 1 removed.", PackageDescription="LED; 2 Leads", PackageReference=LED-0, Published=8-Jun-2000, Publisher="Altium Limited"
LED12 LED13 LED18 LED19 LED20 LED21 LED22: library part LED1, "Typical RED GaAs LED", LatestRevisionDate=08-Jul-2005, LatestRevisionNote="Mech Layer 1 removed.", PackageDescription="LED; 2 Leads", PackageReference=LED-1, Published=8-Jun-2000, Publisher="Altium Limited"
PROG1: library part "Header 6", "Header, 6-Pin", LatestRevisionDate=17-Jul-2002, LatestRevisionNote="Re-released for DXP Platform.", Publisher="Altium Limited"
Q2 Q3 Q4 Q5 Q6 Q7: library part BC337, "45 V, 500 mA NPN transistors", ComponentLink1Description="Manufacturer Link", ComponentLink1URL=http://www.nxp.com/, ComponentLink2Description=Datasheet, ComponentLink2URL=http://www.nxp.com/, DatasheetVersion=2017, LatestRevisionDate=2017, LatestRevisionNote="IPC-7351 Footprint Added.", PackageDescription="3-Pin SOT-23 Package 0.95 mm Pitch, 2.3 mm Lead Span", PackageReference=SOT23, PackageVersion=2017-2-8, Published=2017-2-8, Publisher="Abbas Basereh"
R2 R3: library part Res1, "Resistor", LatestRevisionDate=17-Jul-2002, LatestRevisionNote="Re-released for DXP Platform.", PackageDescription="Axial Device, Thru-Hole; 2 Leads; 0.3 in Pin Spacing", PackageReference=AXIAL-0.3, Published=8-Jun-2000, Publisher="Altium Limited"
S1 S2: library part Component_2
S3 S4 S5 S6 S7 S8 S9 S10 S11 S12 S13 S14 S15 S16: library part "Switch PB", "Push Button Switch"
TVS1 TVS2 TVS3 TVS4 TVS5: library part "1n5822 SMD", "SMDJ28A"
U5: "No Description Available", Mfr_Name=STMicroelectronics, Copyright="Copyright (C) 2021 Ultra Librarian. All rights reserved.", Manufacturer_Part_Number=STM32F072RBT6, RefDes=RefDes, Type=DEV
U6: "General Purpose Amplifier 2 Circuit 8-SOIC", Package="SO-8 Texas Instruments", Availability=Unavailable, MF="Texas Instruments", MP=LM2904M, Price=None, SnapEDA_Link=https://www.snapeda.com/parts/LM2904M/Texas%20Instruments/view-part/343732/?ref=snap
Y1: "Crystal Oscillator", LatestRevisionDate=17-Jul-2002, LatestRevisionNote="Re-released for DXP Platform.", PackageDescription="Crystal, Thru-Hole; 2 Leads; Body 3.1 x 8.2 mm (Dia.xH)", PackageReference=R38, Published=8-Jun-2000, Publisher="Altium Limited"

## Via types
v1: diameter 0.6, hole 0.25, Top Layer to Bottom Layer, tented both sides, 151 vias
v2: diameter 0.6, hole 0.2, Top Layer to Bottom Layer, 39 vias

## Nets (pads, with @x,y where several pads share a name; then routed paths per layer and width w, separated by ;. In a path a pad name is that pad's centre, name@x,y a point inside that pad or via, vN(x,y) a via of type N, cw(c..) or ccw(c..) an arc to the next point about the centre after c; other vN are vias at no path point)
+3.3V: ?.1@89.495,159.425 ?.1@104.07,159.425 ?.10@79.325,167.875 ?.11@100.925,168.735 ?.11@115.5,168.735 ?.16@79.325,160.255 ?.20 C1.1 C3.2 C27.2 C31.1 C32.1 C33.1 C34.1 C35.1 C36.1 D4.2 L1.1 R1.2 R2.1 R4.1 R5.1 R6.1 R7.1 R8.1 R9.1 R10.1 R11.1 R12.1 R13.1 R14.1 R48.1 R49.1 R50.1 R53.1 R74.1 R75.1 U2.3 U5.1 U5.19 U5.32 U5.48 U5.64 | length 696.6
  Top Layer w0.3: v1@3.988,156.508 4.37,156.891 4.425,156.891 ; R11.1@5.563,155.372 R12.1@5.563,156.891 4.425,156.891 ; D4.2@13.503,164.262 12.294,164.262 11.024,162.992 11.024,162.027 9.474,160.477 5.283,160.477 4.343,159.537 4.343,156.972 4.425,156.891 ; D4.2@13.503,164.414 13.503,164.452 13.85,164.799 13.888,164.799 16.932,167.843 25.564,167.843 25.857,167.55 25.857,166.248 R4.1@25.984,166.121 ; 20.523,167.818 20.539,167.802 R2.1@20.539,166.121 ; R74.1@37.739,164.313 37.797,164.37 37.797,165.574 37.973,165.75 42.733,165.75 44.344,164.139 49.667,164.139 C33.1@49.987,163.819 ; R50.1@43.282,146.29 43.377,146.386 43.377,147.035 43.658,147.315 48.849,147.315 v1@49.289,146.875 ; v1@49.352,165.075 49.987,165.075 ; v1(49.505,146.787) 49.951,146.341 49.951,144.401 49.952,144.399 R9.1@50.063,144.399 ; C33.1@49.987,163.779 C33.1@49.987,163.819 ; C33.1@50.063,163.678 50.063,162.408 52.063,160.408 U5.19@54.826,160.408 55.72,160.408 56.567,160.408 58.2,158.775 58.2,155.393 ; v1@50.2,149.184 50.2,149.931 50.942,150.673 C31.1@51.232,150.673 ; L1.1@50.216,167.005 49.987,166.776 49.987,165.075 ; C31.1@50.851,150.724 50.851,152.801 50.856,152.806 51.968,152.806 53.07,153.908 U5.32@54.826,153.908 56.683,153.908 58.168,155.393 58.2,155.393 ; R6.1@58.344,131.851 58.395,131.801 v1(58.395,130.543) ; U5.1@64.126,164.058 U5.1@64.126,163.208 64.126,161.449 64.172,161.403 ; C32.1@65.303,148.844 65.303,148.956 64.126,150.134 U5.48@64.126,152.108 64.126,153.4 62.2,155.326 ; C32.1@65.405,148.996 66.319,148.996 70.51,153.187 C36.1@72.009,153.187 ; C35.1@71.7,162.95 70.275,162.95 68.733,161.408 U5.64@65.926,161.408 64.177,161.408 64.172,161.403 ; C36.1@72.136,153.467 72.136,154.334 74.062,156.261 78.539,156.261 ; R7.1@77.495,131.56 77.521,131.535 v1@77.521,130.658 ; R49.1@78.539,154.961 78.539,156.261 ; ?.16@79.25,160.225 78.648,160.225 78.539,160.116 78.539,156.261 ; R48.1@84.959,154.953 84.959,156.261 ; R53.1@91.186,155.194 91.186,156.085 91.01,156.261 84.959,156.261 ; v1(95.758,131.234) 95.758,132.278 R8.1@95.961,132.481 ; C27.2@120.833,160.833 C27.2@120.884,160.782 ; C27.2@120.833,161.036 123.012,161.036 124.536,159.512 124.536,155.88 125.25,155.166 125.252,155.166 127.343,153.075 131.176,153.075 132.918,151.333 R13.1@133.604,151.333 ; v1@124.79,174.498 124.79,168.835 128.093,165.532 130.556,165.532 132.613,163.474 134.112,163.474 135.407,162.179 135.407,160.198 136.246,159.36 142.652,159.36 143.953,160.66 R5.1@143.993,160.66 143.688,160.965 143.688,161.696 144.196,162.204 146.583,162.204 147.599,161.188 147.599,153.422 146.885,152.708 ; 127.965,177.267 127.965,178.816 v1(127.991,178.841) ; R13.1@133.985,151.282 134.094,151.173 134.094,150.538 135.357,149.275 144.093,149.275 145.057,150.238 145.057,150.949 R14.1@145.25,151.143 ; R14.1@145.39,151.003 145.39,151.212 146.885,152.708 ; R10.1@151.729,148.869 151.511,149.088 151.511,150.749 150.241,152.019 147.574,152.019 146.885,152.708 ; C33.1@49.987,163.819 49.987,165.075 ; 58.2,155.393 62.132,155.393 62.2,155.326 ; 62.2,155.326 62.2,159.431 64.172,161.403 ; 78.539,156.261 84.959,156.261
  Top Layer w0.4: v1(3.937,155.778) v1(3.937,156.566) ; 89.475,156.3 89.525,156.35 89.525,157.93 v2(89.525,157.975)
  Top Layer w0.5: R74.1@37.739,164.313 37.739,164.291 37.744,164.285 R75.1@37.744,162.738 ; L1.1@50.241,166.619 L1.1@50.297,166.675 ; v2@74.146,169.525 74.1,169.571 74.1,171.382 76.567,173.849 116.749,173.849 120.047,177.147 133.323,177.147 C3.2@133.452,177.018 135.58,177.018 U2.3@135.671,176.927 ; v2(77.525,169.55) 77.5,169.525 77.5,168.275 77.881,167.894 79.306,167.894 ?.10@79.325,167.875 80.15,167.875 80.2,167.825 v2(80.225,167.825) ; ?.1@89.495,159.425 89.495,157.9 v2@89.525,157.93 ; v2(104.025,158.125) 104.044,158.144 104.044,159.171 104.125,159.252 ?.1@104.125,159.325
  Top Layer w0.6: C35.1@71.575,163 71.615,163 72.99,164.375 73.075,164.375 v2(73.15,164.45)
  Top Layer w1: U2.3@135.671,176.927 C1.1@135.671,182.311
  Bottom Layer w0.3: v1@49.454,165.176 50.737,166.46 58.39,166.46 v2@59.5,165.35 ; v1(49.505,146.787) 50.165,147.447 v1@50.165,149.276 ; v1(124.816,173.584) v1(124.816,174.396) 124.816,174.625 127.914,177.723 127.914,177.977 v1(127.991,178.054) v1(127.991,178.841)
  Bottom Layer w0.4: v1(3.937,155.778) v1(3.937,156.566) 3.937,165.075 6.875,168.013 6.875,174.845 15.824,183.794 47.092,183.794 48.136,182.75 127.562,182.75 131.445,178.867 131.445,166.224 130.581,165.361 126.587,165.361 124.816,167.132 124.816,173.445 v1@124.853,173.482 ; v1@3.988,155.778 3.988,151.912 10.617,145.283 10.617,143.18 15.316,138.481 19.177,138.481 27.153,130.505 58.318,130.505 v1@58.388,130.575 ; v1(58.395,130.543) 58.388,130.55 v1@58.388,130.575 ; v1(95.758,131.234) 95.049,130.525 77.414,130.525 77.389,130.5 58.462,130.5 v1@58.388,130.575
  Bottom Layer w0.5: v2(74.1,169.525) 74.112,169.537 77.512,169.537 v2(77.525,169.55) ; v2(80.225,167.825) 81.575,169.175 115.475,169.175 v2@115.5,169.15 ; v2(89.525,157.975) 89.552,157.975 89.702,158.125 v2(104.025,158.125)
  Bottom Layer w0.6: v2(73.15,164.45) 73.15,168.55 74.1,169.5 v2(74.1,169.525)
  other v1: 77.55,130.55 50.19,149.149 49.403,165.125
  other v2: 59.475,165.325 104,169.1 100.825,169.125 89.4,169.15 115.475,169.225
+5V: C2.1 C5.2 C76.2 P1.35 U3.3 U7.1 | length 175.3
  Top Layer w0.3: U7.1@43.128,168.67 43.686,168.67 43.686,167.134 44.755,166.065 C76.2@45.542,166.065 ; C76.2@45.669,166.111 45.771,166.009 45.771,164.922
  Top Layer w0.5: v1@128.925,166.65 128.951,166.624 v1@129.8,166.624 ; C2.1@129.083,168.722 129.8,168.005 129.8,167.78 v1@129.8,166.624 ; v1(129.819,166.624) v1@129.8,166.624 ; C5.2@133.274,166.37 133.299,166.395 133.299,167.78
  Top Layer w0.8: v1(45.314,164.922) v1(46.203,164.922)
  Top Layer w1: C2.1@129.8,167.78 133.299,167.78 135.562,167.78 135.671,167.67 U3.3@135.671,167.564
  Bottom Layer w0.5: v1@45.3,164.95 v1@45.328,164.922 ; v1(46.203,164.922) 46.203,165.938 48.139,167.875 62.541,167.875 66.319,171.653 113.208,171.653 122.047,180.492 128.143,180.492 129.825,178.81 v1@129.825,166.673 ; v1@46.279,164.765 46.279,164.126 46.854,163.551 52.73,163.551 59.811,156.47 65.069,156.47 67.869,153.67 67.869,144.602 69.799,142.672 81.407,142.672 82.832,144.097 82.832,144.707 P1.35@82.976,144.85 ; v1(128.933,166.624) 129.776,166.624 v1@129.798,166.646
  Bottom Layer w0.7: v1@45.328,164.922 v1(46.203,164.922)
+12V: C4.2 C6.2 C10.1 D2.2 D3.2 TVS1.2 U2.1 U3.1 | length 88.4
  Top Layer w0.3: U3.1@140.294,167.335 140.294,166.827 141.721,165.4 142.245,165.4 C6.2@142.392,165.252 ; 141.021,173.05 C4.2@143.911,173.05
  Top Layer w1: D3.2@130.658,148.184 D3.2@130.67,148.171 ; D2.2@130.67,144.564 D3.2@130.67,148.171 ; U3.1@140.294,167.335 U3.1@140.294,167.564 140.294,167.612 140.404,167.722 141.756,167.722 141.756,172.188 140.957,172.987 140.233,173.711 140.233,176.622 U2.1@140.294,176.683 ; 141.805,167.771 146.202,163.373 159.461,163.373 C10.1@161.773,161.061 ; TVS1.2@142.265,145.872 142.008,146.129 140.696,146.129 139.05,147.775 131.066,147.775 D3.2@130.67,148.171 ; TVS1.2@143.129,144.704 TVS1.2@143.704,144.129 ; TVS1.2@144.6,144.6 144.6,144.426 144.851,144.175 156.494,144.175 159.614,147.295 159.614,158.521 C10.1@161.963,160.871
+INA: C54.2 U5.20 U6.3 | length 54.3
  Top Layer w0.3: C54.2@16.45,146.025 14.425,148.05 14.425,150.112 15.988,151.675 20.382,151.675 23.419,154.711 33.249,154.711 v1@37.262,158.725 ; C54.2@16.708,145.999 16.891,145.816 16.891,144.134 U6.3@16.925,144.1 ; v1(43.307,163.932) 43.764,163.474 48.108,163.474 51.674,159.908 U5.20@54.826,159.908
  Bottom Layer w0.3: v1@37.586,158.877 42.64,163.932 v1(43.307,163.932)
  other v1: 37.338,158.75